# KiCad board GPDI_ULX3S_panel.kicad_pcb (continued)
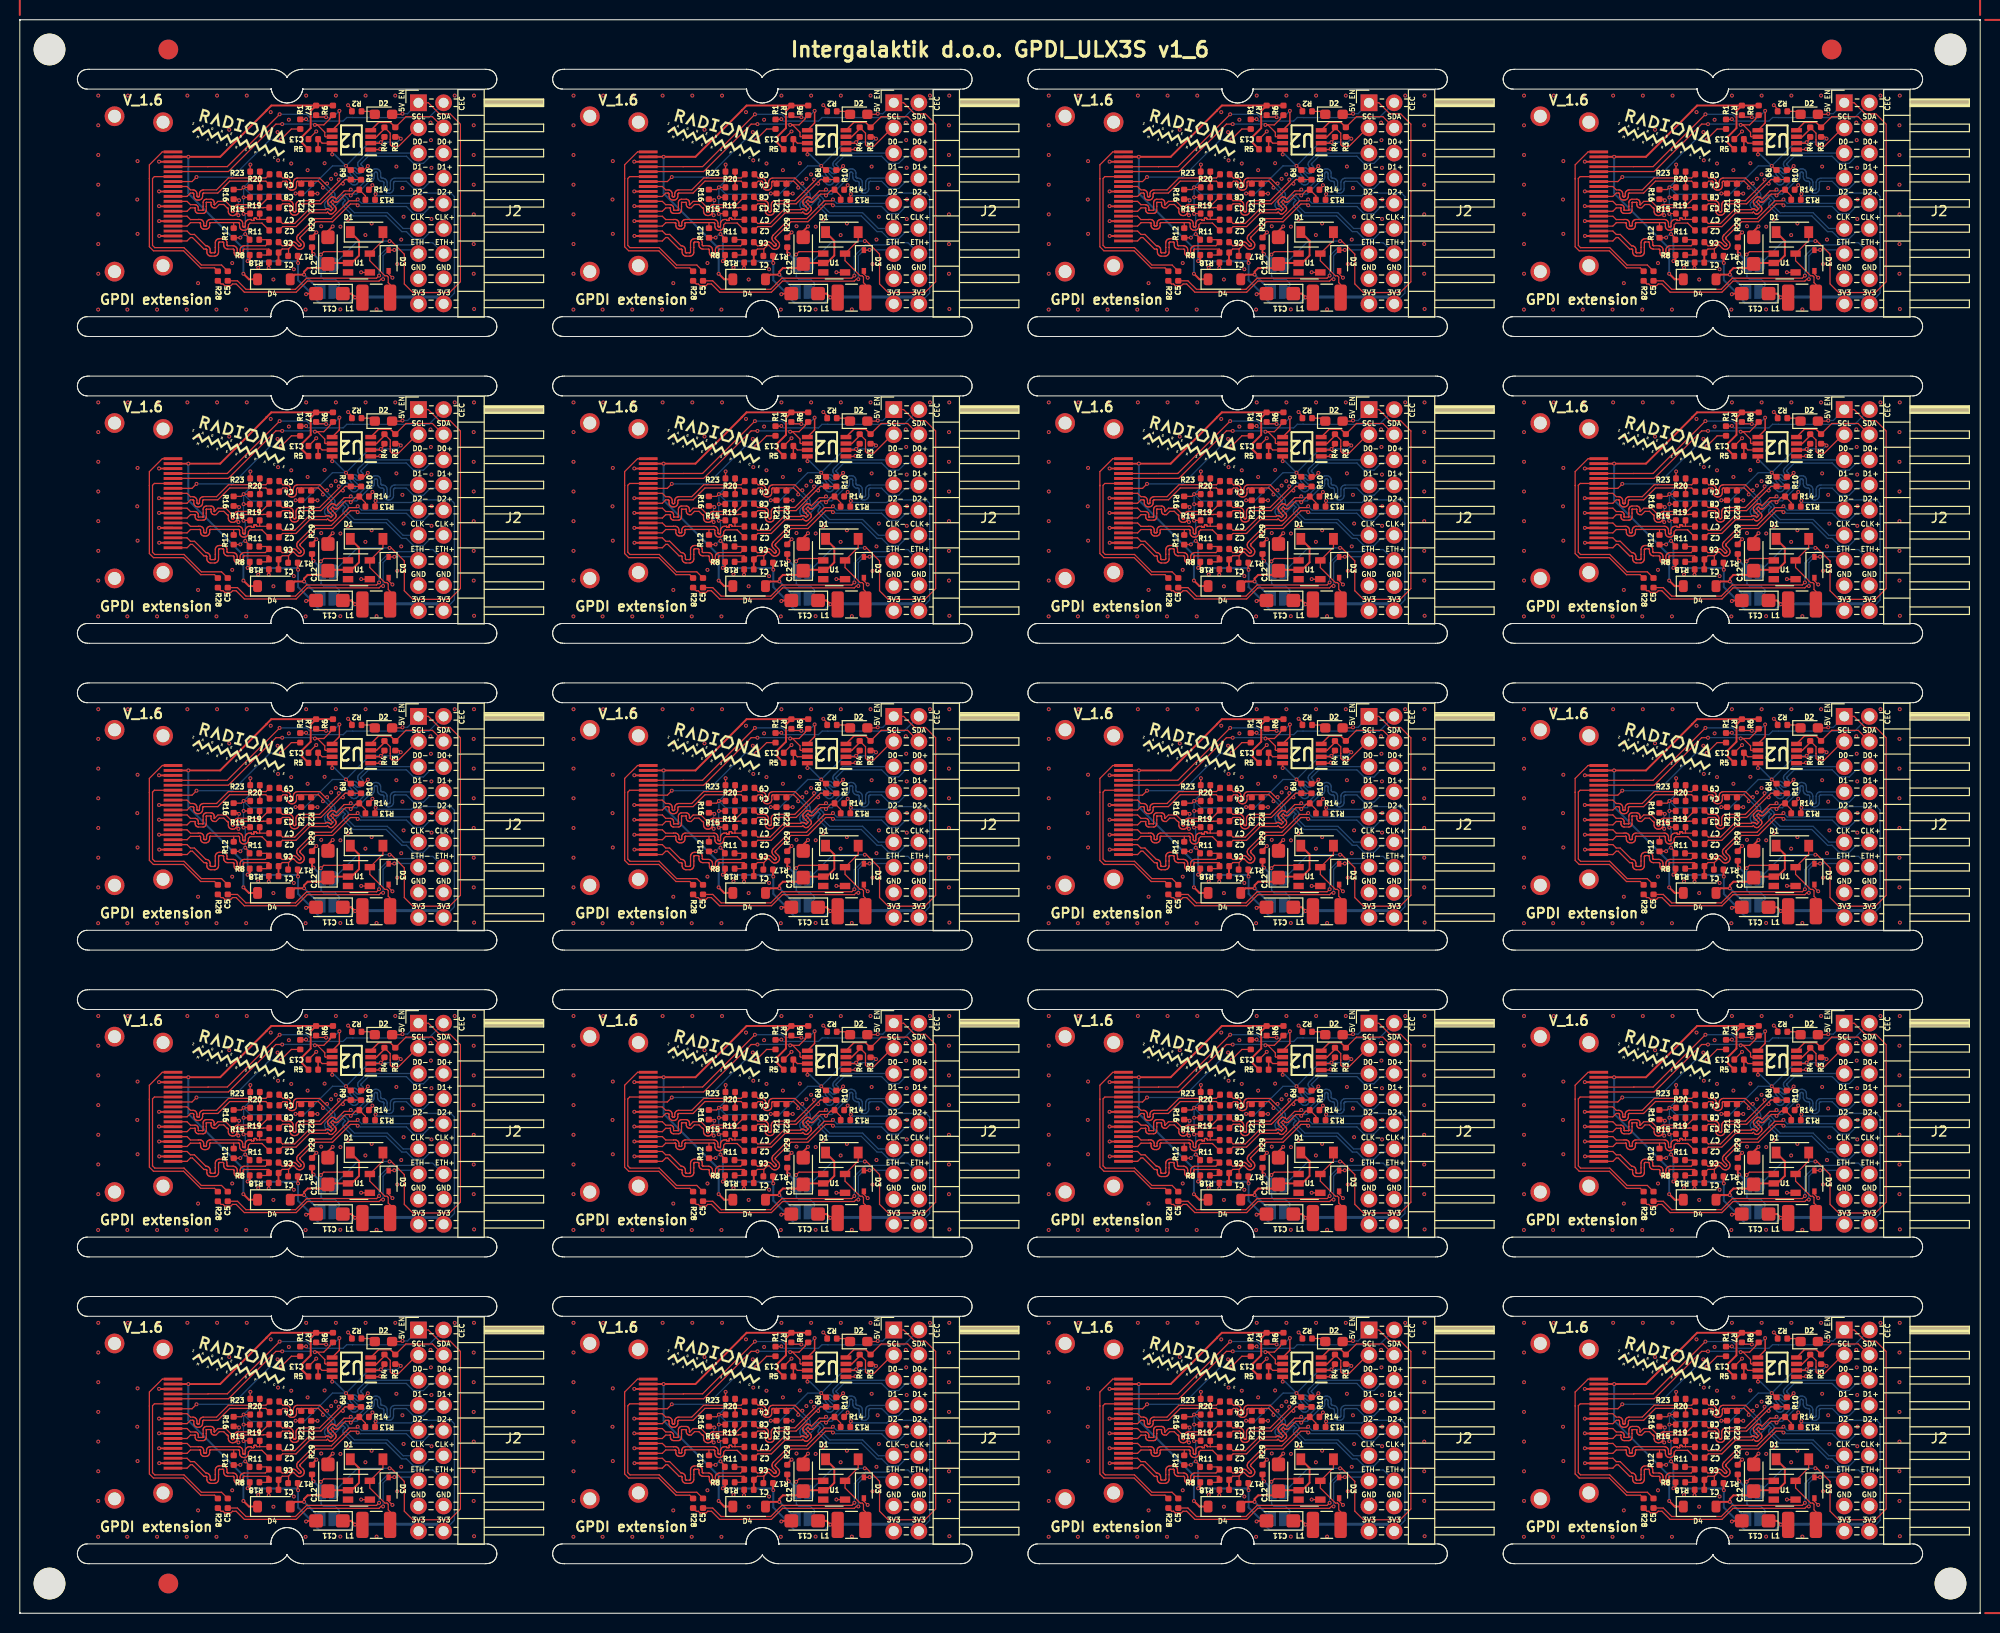
[diagram p0: board, top side]
## Routing (per net, layer and track width the routed paths; a pad name or vN(x,y) marks a point on that pad's centre or on a via; arc(x,y) is an arc through that point) (continued)
Board_14-GPDI_D0-: length 20.9
  Top w0.127: v1(128.22,51.86) 128.22,51.67 126.27,49.72 124.33,49.72 124.23,49.71 124.14,49.68 124.06,49.63 123.99,49.56 123.94,49.48 123.9,49.39 123.89,49.29 123.89,48.72 123.89,48.69 123.88,48.66 123.86,48.63 123.84,48.61 123.81,48.59 123.78,48.58 123.75,48.58 123.72,48.58 123.69,48.59 123.66,48.61 123.64,48.63 123.63,48.66 123.62,48.69 123.61,48.72 123.61,49.29 123.6,49.39 123.57,49.48 123.52,49.56 123.45,49.63 123.37,49.68 123.28,49.71 123.18,49.72 122.53,49.72 C8#2.1
  Bottom w0.127: J2#11.5 131.08,54.53 130.23,53.68 130.18,53.62 130.14,53.54 130.12,53.45 130.12,53.37 130.14,53.28 130.18,53.21 130.23,53.14 130.36,53.01 130.37,52.99 130.38,52.97 130.39,52.95 130.39,52.93 130.38,52.91 130.37,52.9 130.36,52.88 130.29,52.81 130.28,52.8 130.26,52.79 130.24,52.78 130.22,52.78 130.2,52.79 130.18,52.8 130.16,52.81 130.03,52.94 129.97,52.99 129.89,53.03 129.8,53.05 129.72,53.05 129.63,53.03 129.56,52.99 129.49,52.94 129.45,52.9 129.39,52.83 129.35,52.74 129.33,52.65 129.33,52.55 129.35,52.45 129.39,52.37 129.45,52.29 129.87,51.88 129.89,51.85 129.9,51.82 129.91,51.79 129.91,51.76 129.9,51.73 129.89,51.7 129.87,51.68 129.84,51.66 129.81,51.64 129.78,51.64 129.75,51.64 129.72,51.64 129.69,51.66 129.67,51.68 129.25,52.09 129.18,52.15 129.09,52.19 129,52.22 128.9,52.22 128.8,52.19 128.72,52.15 128.64,52.09 128.41,51.86 v1(128.22,51.86)
Board_14-GPDI_D1+: length 26.6
  Top w0.127: R13#5.2 130.91,50.21 R14#13.1 130.19,50.74 129.91,50.74 v1(129.42,50.25) 129.29,50.39 128.89,50.39 128.16,49.66 128.1,49.61 128.04,49.59 127.98,49.57 127.91,49.57 127.85,49.59 127.79,49.61 127.73,49.66 127.61,49.78 127.41,49.58 127.63,49.36 127.62,49.35 127.86,49.11 127.9,49.06 127.93,48.99 127.95,48.93 127.95,48.86 127.93,48.8 127.9,48.74 127.86,48.68 127.63,48.46 127.58,48.42 127.52,48.39 127.46,48.37 127.39,48.37 127.32,48.39 127.26,48.42 127.21,48.46 127.08,48.58 126.99,48.49 125.29,48.49 123.9,47.1 122.54,47.1 C2.1
  Bottom w0.127: J2#11.8 138.48,51.68 137.48,51.68 136.76,50.95 135.76,50.95 135.04,51.68 133.91,51.68 133.87,51.67 133.84,51.66 133.81,51.64 133.78,51.61 133.76,51.58 133.75,51.55 133.75,51.51 133.75,50.94 133.73,50.84 133.7,50.74 133.65,50.65 133.57,50.58 133.49,50.53 133.39,50.49 133.29,50.48 133.23,50.48 133.13,50.49 133.03,50.53 132.95,50.58 132.88,50.65 132.82,50.74 132.79,50.84 132.78,50.94 132.78,51.51 132.77,51.55 132.76,51.58 132.74,51.61 132.71,51.64 132.68,51.66 132.65,51.67 132.61,51.68 132.58,51.68 132.48,51.69 132.38,51.72 132.3,51.78 132.23,51.85 132.17,51.93 132.14,52.03 132.13,52.13 132.13,52.45 132.12,52.49 132.11,52.53 132.09,52.56 132.06,52.58 132.03,52.6 132,52.62 131.96,52.62 131.92,52.62 131.89,52.6 131.86,52.58 131.83,52.56 131.81,52.53 131.8,52.49 131.8,52.45 131.8,52.13 131.78,52.03 131.75,51.93 131.7,51.85 131.62,51.78 131.54,51.72 131.44,51.69 131.34,51.68 131.31,51.68 130.03,50.39 129.56,50.39 v1(129.42,50.25)
Board_14-GPDI_D1-: length 21
  Top w0.127: C7#10.1 122.54,47.42 123.77,47.42 125.16,48.81 126.86,48.81 126.87,48.82 126.92,48.86 126.98,48.89 127.05,48.91 127.12,48.91 127.18,48.89 127.24,48.86 127.3,48.82 127.42,48.7 127.62,48.9 127.4,49.12 127.41,49.13 127.17,49.37 127.13,49.42 127.1,49.48 127.08,49.55 127.08,49.62 127.1,49.68 127.13,49.74 127.17,49.79 127.39,50.02 127.45,50.06 127.51,50.09 127.57,50.11 127.64,50.11 127.71,50.09 127.77,50.06 127.82,50.02 127.94,49.89 128.76,50.71 129.29,50.71 v1(129.42,50.85)
  Bottom w0.127: J2#11.7 133.88,52 133.78,51.98 133.68,51.95 133.6,51.9 133.53,51.82 133.47,51.74 133.44,51.64 133.43,51.54 133.43,50.97 133.42,50.93 133.41,50.89 133.39,50.86 133.36,50.84 133.33,50.82 133.3,50.8 133.26,50.8 133.22,50.8 133.19,50.82 133.16,50.84 133.13,50.86 133.11,50.89 133.1,50.93 133.1,50.97 133.1,51.54 133.08,51.64 133.05,51.74 133,51.82 132.92,51.9 132.84,51.95 132.74,51.98 132.64,52 132.61,52 132.57,52 132.54,52.01 132.51,52.03 132.48,52.06 132.46,52.09 132.45,52.12 132.45,52.16 132.45,52.48 132.43,52.58 132.4,52.68 132.35,52.77 132.27,52.84 132.19,52.89 132.09,52.93 131.99,52.94 131.93,52.94 131.83,52.93 131.73,52.89 131.65,52.84 131.58,52.77 131.52,52.68 131.49,52.58 131.48,52.48 131.48,52.16 131.47,52.12 131.46,52.09 131.44,52.06 131.41,52.03 131.38,52.01 131.35,52 131.31,52 131.18,52 129.89,50.71 129.56,50.71 v1(129.42,50.85)
Board_14-GPDI_D2+: length 22.7
  Top w0.127: v1(130.12,49.25) 129.99,49.39 129.39,49.39 127.59,47.59 125.89,47.59 124.34,46.04 124.32,46.01 124.3,45.98 124.3,45.95 124.3,45.92 124.3,45.89 124.32,45.86 124.34,45.84 124.6,45.57 124.67,45.49 124.71,45.41 124.73,45.31 124.73,45.21 124.71,45.12 124.67,45.03 124.6,44.96 124.57,44.92 124.49,44.86 124.4,44.82 124.31,44.79 124.21,44.79 124.12,44.82 124.03,44.86 123.96,44.92 123.69,45.19 123.66,45.21 123.63,45.22 123.6,45.23 123.57,45.23 123.54,45.22 123.51,45.21 123.49,45.19 123.14,44.84 ; 123.14,44.84 123.14,44.19 R17#9.2 ; 123.14,44.84 122.5,44.84 C1#8.1
  Top w0.2: C1#8.1 122.13,44.47 R18#5.1
  Bottom w0.127: J2#11.10 138.48,49.14 137.48,49.14 136.76,48.41 135.76,48.41 135.04,49.14 130.38,49.14 130.27,49.25 v1(130.12,49.25)
Board_14-GPDI_D2-: length 17.8
  Top w0.127: C6#7.1 122.5,45.16 123.01,45.16 123.28,45.43 123.36,45.49 123.44,45.53 123.54,45.56 123.64,45.56 123.73,45.53 123.82,45.49 123.89,45.43 124.16,45.16 124.19,45.14 124.21,45.13 124.25,45.12 124.28,45.12 124.31,45.13 124.34,45.14 124.36,45.16 124.38,45.19 124.39,45.22 124.4,45.25 124.4,45.28 124.39,45.31 124.38,45.34 124.36,45.36 124.09,45.63 124.03,45.71 123.99,45.79 123.97,45.89 123.97,45.98 123.99,46.08 124.03,46.17 124.09,46.24 125.76,47.91 127.46,47.91 129.26,49.71 129.99,49.71 v1(130.12,49.85)
  Bottom w0.127: J2#11.9 130.52,49.46 v1(130.12,49.85)
Board_14-GPDI_ETH+: length 25.7
  Top w0.127: C5#3.1 117.98,41.62 118.84,40.77 123.84,40.77 124.97,41.89 132.03,41.89 v1(132.29,42.15)
  Bottom w0.127: J2#11.14 137.71,45.47 135.87,45.47 135.65,45.25 133.41,45.25 132.29,44.13 v1(132.29,42.15)
Board_14-GPDI_ETH-: length 24.8
  Top w0.127: R28#4.2 116.32,41.31 116.52,41.31 116.69,41.14 117.31,41.14 117.48,41.31 117.85,41.31 118.68,40.48 123.91,40.48 125.03,41.6 132.29,41.6 132.48,41.79 v1(132.69,41.79) ; 133.25,44.72 133.8,44.72 v1(133.82,44.75)
  Bottom w0.127: v1(132.69,41.79) 132.69,41.79 132.69,44.16 133.27,44.75 v1(133.82,44.75) 135.89,44.75 J2#11.13
Board_14-GPDI_SCL: length 21.1
  Top w0.127: R6#2.2 127.32,58.06 127.32,58 126.7,57.38 v1(125.8,57.38) 126.05,57.38 126.8,56.63 126.8,56.25 126.87,56.18 U2#13.6 ; P1#19.15 111.48,52.67 117.07,52.67 121.86,57.46 v1(122.5,57.46)
  Bottom w0.127: v1(125.8,57.38) 125.71,57.47 122.51,57.47 v1(122.5,57.46)
Board_14-GPDI_SDA: length 22.8
  Top w0.127: R7#9.2 126.11,58.18 126.91,58.18 v1(126.93,58.16) ; P1#19.16 115.01,53.15 115.02,53.17 116.96,53.17 v1(122.24,58.45)
  Top w0.15: U2#13.5 128.27,57.57 v1(128.27,58.8)
  Bottom w0.127: v1(122.24,58.45) 124.97,58.45 125.25,58.17 126.92,58.17 v1(126.93,58.16) 126.99,58.1 127.58,58.1 v1(128.27,58.8)
Board_14-Net-(D1-A): length 8.1
  Top w0.127: L1#17.2 133.4,41.25 133.21,41.44 133.21,42.01 133.08,42.13 132.87,42.13 131.35,43.66 U1#15.5 132.67,45.7 D1#12.2
Board_14-Net-(D1-K): length 13.2
  Top w0.2: D1#12.1 130.26,45.66 130.26,44.18 129.51,43.43 U1#15.2 127.22,43.43 C12#8.1 126.7,42.91 125.07,42.91 124.71,42.55 v1(124.71,42.25) 123.78,42.25 D4#20.2
  Bottom w0.2: JP2#9.1 126.37,40.59 v1(124.71,42.25)
Board_14-Net-(D2-K): length 1.5
  Top w0.127: D2#18.1 131.55,58.75 R2#13.1
Board_14-Net-(U2-VREF2): length 2.6
  Top w0.127: C13#13.1 126.53,55.53 U2#13.7
  Top w0.15: R5#6.2 C13#13.1
Board_14-PMOD_SCL: length 8.1
  Top w0.127: R4#11.2 133.41,56.55 133.41,55.88 133.41,55.88 133.41,55.38 133.59,55.21 134.25,55.21 136.11,57.07 J2#11.3 135.88,56.69
  Top w0.15: U2#13.3 132.03,56.18 132.82,56.98 R4#11.2
Board_14-PMOD_SDA: length 8.8
  Top w0.127: R3#3.2 135,58.21 137.67,58.21 J2#11.4
  Top w0.15: R3#3.2 133.43,57.63 132.24,57.63 U2#13.4
Board_15-5V_ENABLE: length 54.8
  Top w0.127: v1(174.41,44.28) 174.7,44.57 176.95,44.57 U1#5.1 ; v1(182.65,58.51) 182.59,58.45 D2#15.2 ; v1(181.34,45.64) 181.51,45.64 182.83,44.32 182.83,41.31 183.7,40.44 187.41,40.44 188.5,41.53 188.5,57.45 187.46,58.49 186.39,58.49 185.26,59.62 J2#15.1 183.8,59.15
  Top w0.2: R29#17.1 173.51,44.48 v1(173.66,44.33)
  Bottom w0.127: JP2#3.2 176.26,41.13 176.26,41.39 175.86,41.79 174.68,41.79 174.44,42.03 174.43,42.03 174.43,43.25 JP1#16.2 174.42,44 174.41,44.01 v1(174.41,44.28) ; J2#15.1 183.16,58.51 v1(182.65,58.51) ; JP1#16.1 178.12,45.64 v1(181.34,45.64)
  Bottom w0.2: JP1#16.2 174.42,43.57 v1(173.66,44.33)
  Bottom w0.5: JP1#16.2 JP1#16.1
Board_15-+3V3: length 87.4
  Top w0.127: v1(166.59,48.39) 166.62,48.42 R15#12.1 ; R9#2.1 177.36,52.82 v1(176.94,53.24) ; v1(166.27,45.99) 166.26,45.97 R12#11.1 ; v1(182.47,55.99) 182.3,56.16 R3#12.1 ; R13#19.1 179.88,50.33 v1(179.93,50.38) ; v1(177.86,39.95) 177.88,39.93 L1.1 ; R4#19.1 180.82,55.99 v1(180.47,55.63) ; R20#7.1 v1(166.6,51.07) 166.38,50.85 R16#12.1 ; R11#7.1 167.21,45.91 v1(166.77,46.35) ; R19#19.1 v1(166.6,50.06) ; v1(167.29,53.37) 167.27,53.35 R23#5.1 ; v1(171.85,50.45) R21#9.1
  Top w0.15: U2#19.2 180.37,55.53 v1(180.47,55.63) ; U2#19.8 175.54,54.41 v1(175.55,54.4)
  Top w0.2: v1(172.1,43.43) 172.07,43.46 R17#17.1 ; R8#13.1 167.23,43.84 v1(167.01,43.62) ; C11#9.1 177.48,40.33 v1(177.86,39.95)
  Bottom w0.127: J2#15.18 187.89,40.38 187.89,50.14 187.54,50.5 183.83,50.5 183.56,50.23 180.08,50.23 v1(179.93,50.38) ; v1(166.6,51.07) 167.3,50.37 171.77,50.37 v1(171.85,50.45) 172.79,50.45 175.58,53.24 v1(176.94,53.24) 179.34,55.63 v1(180.47,55.63) 182.12,55.63 v1(182.47,55.99) ; v1(166.6,51.07) v1(166.6,50.06) 166.59,50.05 v1(166.59,48.39) 166.77,48.22 v1(166.77,46.35) 166.63,46.35 v1(166.27,45.99) ; v1(166.6,51.07) 167.29,51.75 v1(167.29,53.37)
  Bottom w0.15: v1(175.55,54.4) 175.78,54.4 v1(176.94,53.24)
  Bottom w0.2: v1(166.77,46.35) 167.01,46.11 v1(167.01,43.62) 167.03,43.6 171.93,43.6 v1(172.1,43.43) 172.1,41.68 173.65,40.14 173.65,40 174.24,39.41 177.32,39.41 v1(177.86,39.95)
  Bottom w0.3: v1(177.86,39.95) 177.9,39.99 186.11,39.99 J2#15.18
Board_15-+5V: length 39.3
  Top w0.2: R7#7.1 169.4,59.34 168.92,58.85 168.92,58.83 164.24,54.15 v1(161.02,54.15) P1#9.18 ; R7#7.1 R6#16.1 ; R7#7.1 173.38,58.79 173.38,57.06 172.53,56.2 172.53,55.55 R5#11.1 ; D4#8.1 167.14,41.78 v1(166.58,42.34)
  Bottom w0.2: v1(161.02,54.15) 161.02,50.46 166.58,44.9 v1(166.58,42.34)
Board_15-/CEC: length 15.1
  Top w0.127: R1#10.1 171.43,56.97 v1(170.37,55.91) ; P1#9.13 161.39,51.65 v1(161.85,52.11)
  Bottom w0.127: v1(161.85,52.11) 165.47,52.11 169.28,55.91 v1(170.37,55.91)
Board_15-/CLK+: length 12.1
  Top w0.127: P1#9.10 160.89,50.15 161.23,50.5 161.45,50.5 161.48,50.49 161.51,50.48 161.53,50.47 161.55,50.45 161.56,50.43 161.57,50.4 161.57,50.38 161.57,50.19 161.58,50.1 161.61,50.02 161.66,49.94 161.73,49.87 161.8,49.82 161.89,49.79 161.98,49.78 162.05,49.78 162.14,49.79 162.23,49.82 162.31,49.87 162.37,49.94 162.42,50.02 162.45,50.1 162.46,50.19 162.46,50.38 162.47,50.4 162.48,50.43 162.49,50.45 162.51,50.47 162.53,50.48 162.55,50.49 162.58,50.5 164,50.5 165.2,51.7 168.85,51.7 C4#20.2
  Top w0.15: R20#7.2 168.24,51.66
Board_15-/CLK-: length 12.2
  Top w0.127: R23#5.2 168.24,52.03 168.26,52.02 ; 168.26,52.02 165.07,52.02 163.87,50.81 162.56,50.81 162.46,50.8 162.38,50.77 162.3,50.72 162.23,50.66 162.19,50.58 162.15,50.49 162.14,50.4 162.14,50.22 162.14,50.19 162.13,50.17 162.12,50.15 162.1,50.13 162.08,50.11 162.05,50.1 162.03,50.1 162.01,50.1 161.98,50.1 161.96,50.11 161.93,50.13 161.92,50.15 161.9,50.17 161.89,50.19 161.89,50.22 161.89,50.4 161.88,50.49 161.85,50.58 161.8,50.66 161.74,50.72 161.66,50.77 161.57,50.8 161.48,50.81 161.23,50.81 160.89,51.15 P1#9.12 ; 168.26,52.02 168.85,52.02 C9#18.2
Board_15-/D0+: length 15.7
  Top w0.127: P1#9.7 160.89,48.65 161.23,49 161.67,49 161.68,48.99 161.69,48.99 161.7,48.99 161.7,48.98 161.71,48.97 161.71,48.97 161.71,48.96 161.71,48.78 161.72,48.7 161.74,48.63 161.79,48.57 161.84,48.51 161.9,48.47 161.97,48.45 162.05,48.44 162.49,48.44 162.57,48.45 162.64,48.47 162.7,48.51 162.76,48.57 162.8,48.63 162.82,48.7 162.83,48.78 162.83,49.15 162.83,49.51 162.83,49.52 162.84,49.53 162.84,49.54 162.85,49.54 162.85,49.55 162.86,49.55 162.87,49.55 163.27,49.55 163.28,49.55 163.29,49.55 163.3,49.54 163.3,49.54 163.31,49.53 163.31,49.52 163.31,49.51 163.31,49.33 163.32,49.26 163.35,49.19 163.39,49.12 163.44,49.07 163.5,49.03 163.58,49 163.65,49 163.8,49 164.14,49.34 164.6,49.34 164.93,49.01 164.96,49 164.99,48.99 165.01,48.98 165.03,48.96 165.04,48.93 165.05,48.91 165.06,48.88 165.06,48.64 165.07,48.55 165.1,48.46 165.15,48.38 165.22,48.31 165.3,48.26 165.38,48.23 165.48,48.22 165.53,48.22 165.62,48.23 165.71,48.26 165.79,48.31 165.86,48.38 ; R16#12.2 166.03,49.88 v1(166.15,49.76) ; v1(166.08,48.25) 165.95,48.38 165.86,48.38 ; 165.86,48.38 165.91,48.46 165.94,48.55 165.95,48.64 165.95,48.88 165.95,48.91 165.96,48.93 165.98,48.96 166,48.98 166.02,48.99 166.05,49 166.08,49.01 166.15,49.01 166.18,49 166.2,48.99 166.23,48.98 166.25,48.96 166.26,48.93 166.27,48.91 166.28,48.88 166.28,48.87 166.28,48.84 166.29,48.82 166.3,48.79 166.32,48.77 166.35,48.76 166.37,48.75 166.4,48.75 166.43,48.75 166.46,48.76 166.48,48.77 166.5,48.79 166.52,48.82 166.53,48.84 166.53,48.87 166.53,48.88 166.53,48.91 166.54,48.93 166.56,48.96 166.58,48.98 166.6,48.99 166.63,49 166.66,49.01 168.57,49.01 168.59,49.03 C3#17.2
  Bottom w0.127: v1(166.15,49.76) 166.08,49.7 v1(166.08,48.25)
Board_15-/D0-: length 14.1
  Top w0.127: P1#9.9 160.89,49.65 161.23,49.31 161.69,49.31 161.77,49.31 161.84,49.28 161.9,49.24 161.96,49.19 162,49.12 162.02,49.05 162.03,48.98 162.03,48.8 162.03,48.79 162.03,48.78 162.04,48.77 162.05,48.77 162.05,48.76 162.06,48.76 162.07,48.76 162.47,48.76 162.48,48.76 162.49,48.76 162.5,48.77 162.5,48.77 162.51,48.78 162.51,48.79 162.51,48.8 162.51,49.15 162.51,49.15 162.51,49.53 162.52,49.61 162.55,49.68 162.59,49.74 162.64,49.8 162.7,49.84 162.78,49.86 162.85,49.87 163.29,49.87 163.37,49.86 163.44,49.84 163.5,49.8 163.56,49.74 163.6,49.68 163.62,49.61 163.63,49.53 163.63,49.35 163.63,49.34 163.64,49.34 163.64,49.33 163.65,49.32 163.65,49.32 163.66,49.32 163.67,49.31 164.01,49.65 164.8,49.65 165.28,49.17 165.33,49.09 165.37,49 165.38,48.91 165.38,48.67 165.38,48.64 165.39,48.61 165.4,48.59 165.42,48.57 165.45,48.55 165.47,48.54 165.5,48.54 165.53,48.54 165.56,48.55 165.58,48.57 165.6,48.59 165.62,48.61 165.63,48.64 165.63,48.67 165.63,48.91 165.64,49 165.67,49.09 165.72,49.17 165.79,49.23 165.87,49.28 165.96,49.31 166.05,49.33 168.39,49.33 C8#17.2 169.13,50.06
  Top w0.15: R19#19.2 168.22,49.34 168.2,49.33
Board_15-/D1+: length 12.6
  Top w0.127: P1#9.4 160.89,47.15 161.23,47.5 162.15,47.5 162.16,47.51 162.18,47.5 162.2,47.5 162.22,47.49 162.23,47.47 162.25,47.45 162.25,47.43 162.26,47.41 162.26,47.23 162.27,47.14 162.29,47.06 162.34,46.99 162.4,46.93 162.48,46.88 162.56,46.85 162.64,46.84 162.79,46.84 162.87,46.85 162.95,46.88 163.03,46.93 163.09,46.99 163.14,47.06 163.16,47.14 163.17,47.23 163.17,47.41 163.18,47.43 163.18,47.45 163.19,47.47 163.21,47.49 163.23,47.5 163.25,47.5 163.27,47.51 166.07,47.51 166.1,47.5 166.13,47.49 166.15,47.48 166.17,47.46 166.18,47.43 166.19,47.41 166.2,47.38 166.2,47.15 166.21,47.05 166.24,46.97 166.29,46.89 166.36,46.82 166.44,46.77 166.52,46.74 166.62,46.73 166.67,46.73 166.76,46.74 166.85,46.77 166.93,46.82 167,46.89 167.05,46.97 167.08,47.05 167.09,47.15 167.09,47.29 167.26,47.46 168.45,47.46 C2#18.2 ; 165.6,46.94 165.6,47.49
Board_15-/D1-: length 12.8
  Top w0.127: C7#5.2 169.16,47.83 168.23,47.83 ; R15#12.2 168.23,47.83 ; 168.23,47.83 167.97,47.83 167.95,47.83 167.94,47.83 167.92,47.84 167.91,47.85 167.9,47.87 167.9,47.88 167.9,47.91 167.89,47.93 167.88,47.94 167.87,47.96 167.86,47.96 167.84,47.97 167.82,47.97 167.72,47.97 167.7,47.97 167.68,47.96 167.67,47.96 167.66,47.94 167.65,47.93 167.65,47.91 167.64,47.9 167.64,47.78 167.64,47.76 167.64,47.75 167.63,47.74 167.62,47.74 167.61,47.73 167.6,47.73 167.59,47.73 167.44,47.73 167.43,47.73 167.42,47.73 167.41,47.74 167.4,47.74 167.39,47.75 167.39,47.76 167.39,47.79 167.38,47.8 167.38,47.81 167.37,47.81 167.36,47.82 167.35,47.82 167.34,47.83 167.19,47.83 167.1,47.81 167.01,47.78 166.93,47.73 166.86,47.67 166.81,47.59 166.78,47.5 166.77,47.41 166.77,47.17 166.77,47.15 166.76,47.12 166.74,47.09 166.72,47.07 166.7,47.06 166.67,47.05 166.64,47.05 166.61,47.05 166.59,47.06 166.56,47.07 166.54,47.09 166.53,47.12 166.52,47.15 166.52,47.17 166.52,47.41 166.51,47.5 166.47,47.59 166.42,47.67 166.36,47.73 166.28,47.78 166.19,47.81 166.1,47.83 163.24,47.83 163.16,47.82 163.08,47.79 163,47.74 162.94,47.68 162.89,47.61 162.87,47.52 162.86,47.44 162.86,47.25 162.85,47.23 162.85,47.21 162.83,47.2 162.82,47.18 162.8,47.17 162.78,47.16 162.76,47.16 162.67,47.16 162.65,47.16 162.63,47.17 162.61,47.18 162.59,47.2 162.58,47.21 162.58,47.23 162.57,47.25 162.57,47.44 162.56,47.52 162.54,47.61 162.49,47.68 162.43,47.74 162.35,47.79 162.27,47.82 162.19,47.83 162.03,47.83 162.02,47.81 161.23,47.81 160.89,48.15 P1#9.6
Board_15-/D2+: length 15
  Top w0.127: R8#13.2 168.92,44.23 C1#12.2 169.17,44.8 169.14,44.83 166.65,44.83 166.62,44.82 166.6,44.79 166.58,44.77 166.57,44.74 166.57,44.71 166.57,44.5 166.56,44.4 166.52,44.31 166.47,44.23 166.4,44.16 166.32,44.1 166.23,44.07 166.13,44.06 166.08,44.06 165.98,44.07 165.89,44.1 165.81,44.16 165.74,44.23 165.69,44.31 165.66,44.4 165.64,44.5 165.64,44.71 165.64,44.74 165.63,44.77 165.61,44.79 165.59,44.82 165.56,44.83 165.01,44.83 164.91,44.84 164.83,44.88 164.75,44.92 164.68,44.99 164.63,45.07 164.6,45.16 164.59,45.25 164.59,45.44 164.59,45.47 164.58,45.49 164.57,45.51 164.55,45.53 164.53,45.54 164.51,45.55 164.48,45.55 164.18,45.55 164.16,45.55 164.14,45.54 164.11,45.53 164.1,45.51 164.08,45.49 164.08,45.47 164.07,45.44 164.07,45 164.07,44.53 164.06,44.44 164.03,44.35 163.98,44.27 163.92,44.21 163.84,44.16 163.75,44.13 163.66,44.12 163.31,44.12 163.21,44.13 163.13,44.16 163.05,44.21 162.98,44.27 162.93,44.35 162.9,44.44 162.89,44.53 162.89,44.73 162.89,44.75 162.88,44.77 162.87,44.79 162.85,44.81 162.83,44.82 162.81,44.83 162.78,44.83 162.6,44.83 161.43,46 161.24,46 160.89,45.65 P1#9.1
Board_15-/D2-: length 14.8
  Top w0.127: P1#9.3 160.89,46.65 161.23,46.31 161.63,46.31 162.78,45.17 162.81,45.17 162.9,45.16 162.99,45.13 163.07,45.08 163.13,45.01 163.18,44.93 163.21,44.84 163.22,44.75 163.22,44.56 163.23,44.54 163.23,44.51 163.25,44.49 163.26,44.48 163.28,44.46 163.31,44.45 163.33,44.45 163.63,44.45 163.66,44.45 163.68,44.46 163.7,44.48 163.72,44.49 163.73,44.51 163.74,44.54 163.74,44.56 163.74,45 163.74,45.47 163.75,45.56 163.78,45.65 163.83,45.73 163.9,45.79 163.98,45.84 164.06,45.87 164.16,45.88 164.51,45.88 164.6,45.87 164.69,45.84 164.77,45.79 164.83,45.73 164.88,45.65 164.91,45.56 164.92,45.47 164.92,45.27 164.93,45.25 164.93,45.23 164.95,45.21 164.96,45.19 164.99,45.18 165.01,45.17 165.03,45.17 165.53,45.17 165.63,45.16 165.72,45.12 165.8,45.07 165.87,45 165.92,44.92 165.95,44.83 165.96,44.73 165.96,44.52 165.97,44.49 165.98,44.46 165.99,44.43 166.02,44.41 166.04,44.39 166.07,44.38 166.11,44.38 166.14,44.38 166.17,44.39 166.19,44.41 166.22,44.43 166.23,44.46 166.24,44.49 166.25,44.52 166.25,44.73 166.26,44.83 166.29,44.92 166.34,45 166.41,45.07 166.49,45.12 166.59,45.16 166.68,45.17 168.8,45.17 C6#14.2 168.91,45.78 R11#7.2
Board_15-/ETH+: length 17.6
  Top w0.127: P1#9.14 157.59,52.15 157.4,51.97 157.4,45.2 157.63,44.98 160.58,44.98 162.34,43.22 164.38,43.22 C5#15.2
Board_15-/ETH-: length 19.2
  Top w0.127: P1#9.19 158.39,54.65 157.09,53.35 157.09,51.93 ; R28#6.1 163.67,42.93 162.27,42.93 160.54,44.66 157.5,44.66 157.09,45.07 157.09,51.93 ; 157.09,51.93 157.09,51.97
Board_15-GND: length 17.5
  Top w0.127: R10#2.2 178.75,52.82 v1(179.15,53.22) ; D3#3.2 181.25,42.32 v1(181.63,41.94) ; v1(173.94,56.72) 173.94,56.72 C13.2 ; R22#17.2 174.06,50.44 v1(174.07,50.44) ; U1#5.4 178.49,42.47 v1(178.47,42.49) ; v1(179.61,51.29) 179.61,51.19 R14#19.2 ; R2#3.2 177.54,58.98 v1(177.15,59.37)
  Top w0.15: v1(180.4,54.94) 180.35,54.88 U2#19.1
  Top w0.2: v1(173.95,46.52) 173.51,46.08 R29#17.2 ; P1#9.8 158.08,49.15 v1(158.06,49.18) ; v1(169.14,42.93) 169.16,42.94 R18#7.2 ; v1(172.91,40.27) 172.97,40.33 C11#9.2 ; C12#9.2 175.12,46.64 v1(175.6,47.12) ; P1#9.11 158.07,50.65 v1(158.06,50.66) ; P1#9.2 158.08,46.15 v1(158.08,46.16) ; P1#9.17 158.07,53.65 v1(158.06,53.67) ; v1(158.07,47.66) 158.07,47.65 P1#9.5
  In1.Cu w0.5: 184.38,41.72 J2#15.15
  vias: v1(151.92,60.34) v1(151.92,57.34) v1(151.92,54.34) v1(151.92,51.34) v1(151.92,48.34) v1(151.92,45.34) v1(151.92,42.34) v1(151.91,38.72) v1(154.92,60.34) v1(154.86,38.72) v1(155.89,53.72) v1(155.86,49.84) v1(155.89,46.37) v1(157.92,60.34) v1(157.86,38.72) v1(160.92,60.34) v1(160.86,38.72) v1(162.02,56.97) v1(162,41.39) v1(163.92,60.34) v1(163.86,38.72) v1(165.15,56.89) v1(165.45,43.42) v1(166.92,60.34) v1(166.86,38.72) v1(168.08,42.94) v1(169.34,58.67) v1(169.61,41.76) v1(170.03,56.65) v1(170.08,53.8) v1(171.17,57.9) v1(171.41,53.48) v1(171.68,42.79) v1(172.92,60.34) v1(172.86,38.72) v1(173.07,52.81) v1(174.44,47.14) v1(174.78,53.51) v1(175.44,51.93) v1(175.92,60.34) v1(175.91,52.38) v1(176.38,47.1) v1(176.37,38.74) v1(177.14,47.81) v1(178.92,60.34) v1(178.9,46.25) v1(179.53,47.42) v1(180.03,38.74) v1(181.92,60.34) v1(182.03,53.17) v1(182.12,43.32) v1(182.52,45.79) v1(182.64,51) v1(182.76,48.1) v1(185.48,57.61) v1(185.52,55.84) v1(185.57,53.05) v1(185.6,49.85) v1(185.58,47.87) v1(187.92,60.34) v1(189.84,57.34) v1(189.84,54.34) v1(189.84,51.34) v1(189.84,48.34) v1(189.84,45.34) v1(189.84,42.34) v1(189.87,60.34) v1(189.88,38.78)
Board_15-GPDI_CEC: length 15.3
  Top w0.127: v1(172.91,57.96) 172.89,57.94 R1#10.2
  Bottom w0.127: v1(172.91,57.96) 173.1,57.77 176.66,57.77 177.02,58.13 177.6,58.13 177.61,58.12 185.31,58.12 J2#15.2
Board_15-GPDI_CLK+: length 24.8
  Top w0.127: R22#17.1 173.42,51.69 ; 173.43,51.69 172.44,51.69 ; 173.43,51.69 174.16,51.69 174.62,51.23 v1(174.62,51.04) ; C4#20.1 170.57,51.69 170.89,51.69 170.92,51.69 170.95,51.68 170.97,51.66 171,51.64 171.01,51.61 171.02,51.58 171.03,51.55 171.03,51.22 171.04,51.12 171.07,51.03 171.12,50.95 171.19,50.88 171.27,50.83 171.36,50.8 171.46,50.79 171.51,50.79 171.61,50.8 171.7,50.83 171.78,50.88 171.85,50.95 171.9,51.03 171.94,51.12 171.95,51.22 171.95,51.55 171.95,51.58 171.96,51.61 171.98,51.64 172,51.66 172.03,51.68 172.06,51.69 172.09,51.69 172.44,51.69 ; R21#9.2 172.42,51.67 172.44,51.69
  Bottom w0.127: v1(174.62,51.04) 174.81,51.04 175.46,50.39 175.48,50.36 175.49,50.33 175.5,50.29 175.5,50.26 175.49,50.22 175.48,50.19 175.46,50.16 174.91,49.61 174.85,49.53 174.8,49.44 174.78,49.34 174.78,49.24 174.8,49.14 174.85,49.05 174.91,48.97 174.95,48.93 175.03,48.86 175.12,48.82 175.22,48.8 175.32,48.8 175.42,48.82 175.51,48.86 175.59,48.93 176.62,49.95 176.63,49.96 176.63,49.96 176.64,49.96 176.65,49.96 176.65,49.96 176.66,49.96 176.67,49.95 176.85,49.77 176.86,49.76 176.86,49.75 176.86,49.75 176.86,49.74 176.86,49.73 176.86,49.72 176.85,49.72 176.73,49.59 176.68,49.53 176.65,49.47 176.63,49.39 176.63,49.32 176.65,49.25 176.68,49.18 176.73,49.12 177.66,48.19 180.99,48.19 182.58,46.6 183.04,46.6 183.76,45.87 184.76,45.87 185.48,46.6 186.48,46.6 J2#15.12
Board_15-GPDI_CLK-: length 21
  Top w0.127: v1(175.03,51.46) 174.84,51.46 174.29,52.01 172.06,52.01 171.96,52 171.87,51.97 171.79,51.92 171.72,51.85 171.67,51.77 171.64,51.68 171.63,51.58 171.63,51.25 171.62,51.21 171.61,51.18 171.6,51.16 171.57,51.14 171.55,51.12 171.52,51.11 171.49,51.1 171.46,51.11 171.43,51.12 171.4,51.14 171.38,51.16 171.36,51.18 171.35,51.21 171.35,51.25 171.35,51.58 171.34,51.68 171.3,51.77 171.25,51.85 171.18,51.92 171.1,51.97 171.01,52 170.91,52.01 170.57,52.01 C9#18.1
  Bottom w0.127: v1(175.03,51.46) 175.03,51.27 175.7,50.6 175.76,50.52 175.81,50.43 175.83,50.33 175.83,50.23 175.81,50.13 175.76,50.03 175.7,49.95 175.15,49.41 175.13,49.38 175.12,49.34 175.11,49.31 175.11,49.27 175.12,49.24 175.13,49.2 175.15,49.17 175.18,49.15 175.22,49.13 175.25,49.13 175.29,49.13 175.33,49.13 175.36,49.15 175.39,49.17 176.41,50.19 176.47,50.24 176.53,50.27 176.61,50.29 176.68,50.29 176.75,50.27 176.82,50.24 176.88,50.19 177.09,49.98 177.14,49.92 177.17,49.85 177.19,49.78 177.19,49.71 177.17,49.63 177.14,49.57 177.09,49.51 176.97,49.38 176.96,49.37 176.96,49.37 176.96,49.36 176.96,49.35 176.96,49.35 176.96,49.34 176.97,49.33 177.79,48.51 181.12,48.51 182.71,46.91 J2#15.11
